# Altium PCB AVALON_hashunit.PcbDoc (part 3 of 5) (continued)
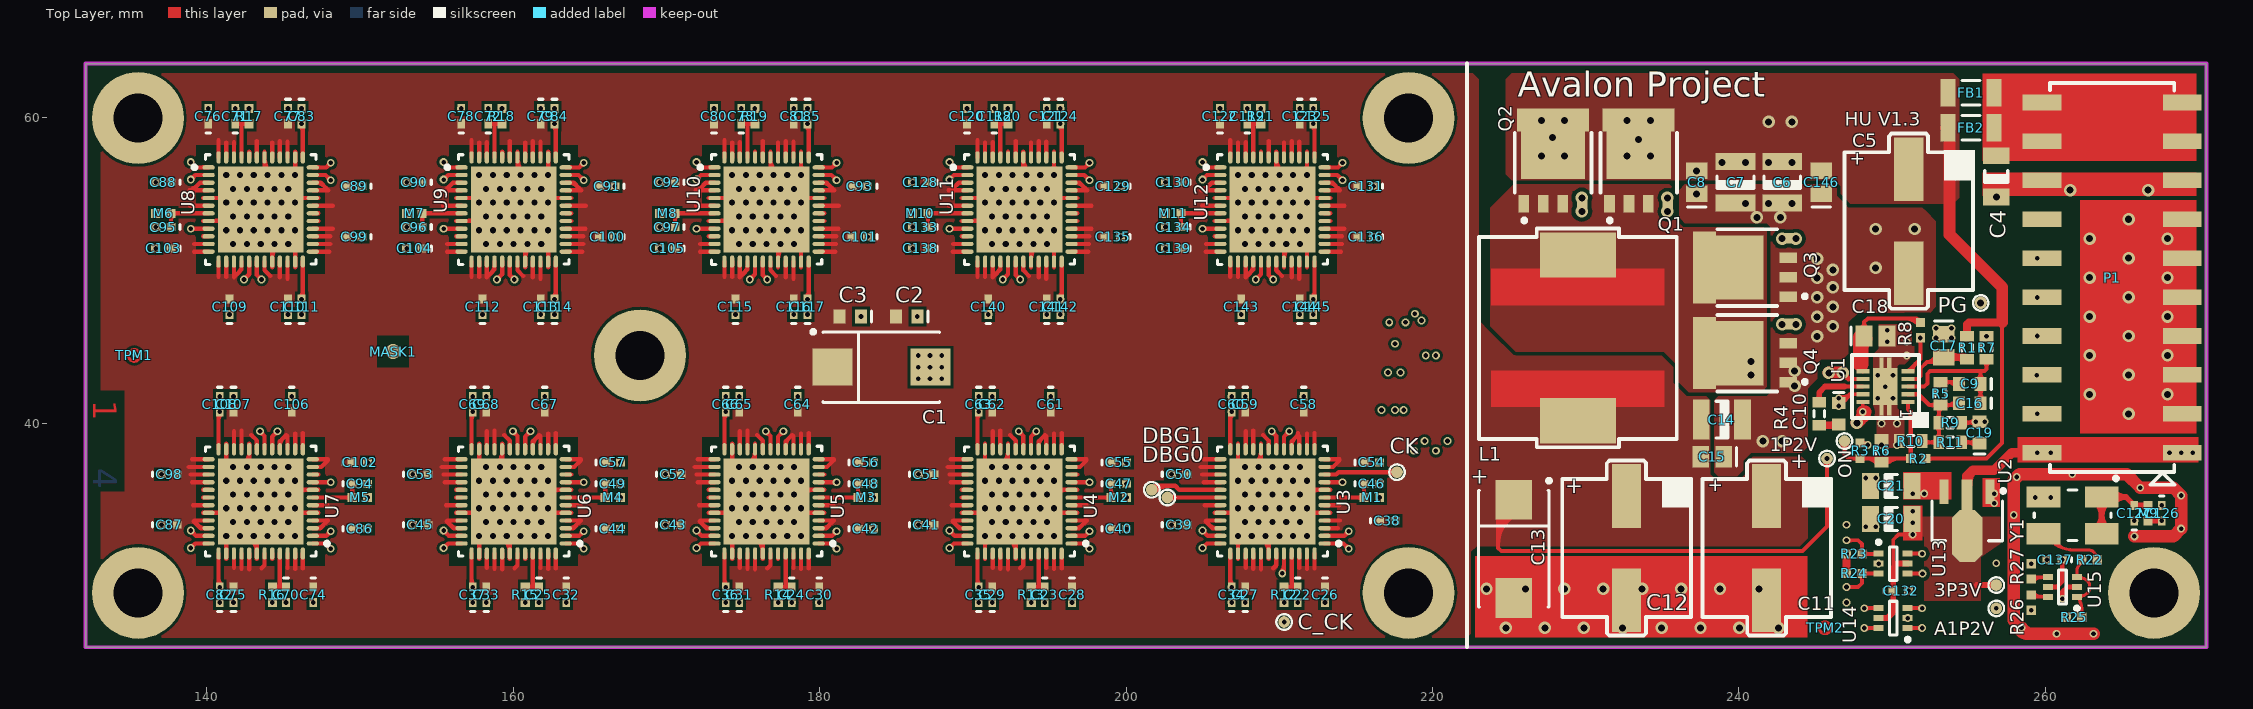
[diagram p0: Top Layer view]
## Nets (pads, with @x,y where several pads share a name; then routed paths per layer and width w, separated by ;. In a path a pad name is that pad's centre, name@x,y a point inside that pad or via, vN(x,y) a via of type N, cw(c..) or ccw(c..) an arc to the next point about the centre after c; other vN are vias at no path point) (continued)
ccw(c176.939,53.225) 177.28,53.225 U10.20@177.28,50.45 ; U5.49@176.966,34.461 ccw(c177.658,35.153) U5.49@177.658,34.175 ; U10.49@176.966,54.439 cw(c177.658,53.747) U10.49@177.658,54.725 ; U10.49@176.981,52.606 ccw(c176.959,52.926) U10.49@177.28,52.926 ; U10.49@176.987,52.607 ccw(c176.726,53.289) U10.49@177.432,53.1 ; U10.49@176.987,52.643 cw(c176.726,51.961) U10.49@177.432,52.15 ; U10.49@176.994,52.639 cw(c176.302,51.947) U10.49@177.28,51.947 ; U5.49@177.164,34.659 ccw(c178.333,35.828) U5.49@178.333,34.175 ; U10.49@177.164,54.241 cw(c178.333,53.072) U10.49@178.333,54.725 ; U5.49@177.261,34.601 ccw(c177.442,34.906) U5.49@177.694,34.657 ; U10.49@177.261,54.299 cw(c177.442,53.994) U10.49@177.694,54.243 ; U10.20@177.28,50.734 cw(c178.421,50.734) U10.49@177.614,51.541 ; U10.49@177.28,52.534 cw(c178.421,52.534) U10.49@177.614,53.341 ; U10.49@177.28,52.716 ccw(c178.421,52.716) U10.49@177.614,51.909 ; U5.49@177.416,35.389 cw(c178.108,34.697) U5.49@178.108,35.675 ; U5.49@177.427,34.175 ccw(c177.427,35.828) U5.49@178.596,34.659 ; U10.49@177.427,54.725 cw(c177.427,53.072) U10.49@178.596,54.241 ; U5.49@177.579,34.175 ccw(c177.579,34.496) U5.49@177.899,34.474 ; U10.49@177.579,54.725 cw(c177.579,54.404) U10.49@177.899,54.426 ; U5.49@177.614,35.191 cw(c178.783,34.022) U5.49@178.783,35.675 ; U5.49@177.62,34.493 cw(c177.28,34.516) 177.28,34.175 U5.5@180.055,34.175 ; U10.49@177.62,54.407 ccw(c177.28,54.384) 177.28,54.725 U10.32@180.055,54.725 ; U5.49@177.711,35.249 cw(c177.892,34.944) U5.49@178.144,35.193 ; U5.49@177.804,35.675 cw(c177.804,35.022) U5.49@178.346,35.386 ; U5.49@177.865,34.464 ccw(c178.463,34.911) U5.49@178.356,34.172 ; U10.49@177.865,54.436 cw(c178.463,53.989) U10.49@178.356,54.728 ; U5.49@177.866,34.461 ccw(c178.558,35.153) U5.49@178.558,34.175 ; U10.49@177.866,54.439 cw(c178.558,53.747) U10.49@178.558,54.725 ; U5.49@178.064,34.659 ccw(c179.233,35.828) U5.49@179.233,34.175 ; U10.49@178.064,54.241 cw(c179.233,53.072) U10.49@179.233,54.725 ; U5.49@178.102,34.175 ccw(c178.102,35.153) U5.49@178.794,34.461 ; U10.49@178.102,54.725 cw(c178.102,53.747) U10.49@178.794,54.439 ; U5.49@178.114,35.23 ccw(c177.28,34.671) 177.28,35.675 U5.8@180.055,35.675 ; U5.49@178.161,34.601 ccw(c178.342,34.906) U5.49@178.594,34.657 ; U10.49@178.161,54.299 cw(c178.342,53.994) U10.49@178.594,54.243 ; U5.49@178.315,35.386 cw(c178.913,34.939) U5.49@178.806,35.678 ; U5.49@178.316,35.389 cw(c179.008,34.697) U5.49@179.008,35.675 ; U5.49@178.514,35.191 cw(c179.683,34.022) U5.8@179.683,35.675 ; U10.49@178.596,56.409 ccw(c178.152,56.853) 178.78,56.853 ccw(c179.408,56.853) U10.49@178.964,56.409 ; U5.49@178.765,34.464 ccw(c179.363,34.911) U5.49@179.256,34.172 ; U10.49@178.765,54.436 cw(c179.363,53.989) U10.49@179.256,54.728 ; U10.23@178.78,50.45 U10.49@178.78,51.725 ; v1(178.78,56.225) U10.38@178.78,57.5 ; U4.32@189.515,34.175 192.29,34.175 cw(c192.29,34.516) U4.49@191.95,34.493 ; U11.8@189.515,53.225 192.29,53.225 cw(c192.29,54.229) U11.49@191.456,53.67 ; U11.5@189.515,54.725 192.29,54.725 ccw(c192.29,54.384) U11.49@191.95,54.407 ; U11.8@189.887,53.225 ccw(c189.887,54.878) U11.49@191.056,53.709 ; U4.49@190.314,34.172 ccw(c190.207,34.911) U4.49@190.805,34.464 ; U11.49@190.314,54.728 cw(c190.207,53.989) U11.49@190.805,54.436 ; U4.49@190.337,34.175 ccw(c190.337,35.828) U4.49@191.506,34.659 ; U11.49@190.337,54.725 cw(c190.337,53.072) U11.49@191.506,54.241 ; U11.49@190.562,53.225 ccw(c190.562,54.203) U11.49@191.254,53.511 ; U4.49@190.606,32.491 cw(c190.162,32.047) 190.79,32.047 cw(c191.418,32.047) U4.49@190.974,32.491 ; U11.49@190.764,53.222 ccw(c190.657,53.961) U11.49@191.255,53.514 ; U4.49@190.776,34.461 ccw(c191.468,35.153) U4.49@191.468,34.175 ; U11.49@190.776,54.439 cw(c191.468,53.747) U11.49@191.468,54.725 ; U11.49@190.787,53.225 ccw(c190.787,54.878) U11.49@191.956,53.709 ; U4.38@190.79,31.4 v1(190.79,32.675) ; U4.49@190.79,37.175 U4.23@190.79,38.45 ; U4.49@190.974,34.659 ccw(c192.143,35.828) U4.49@192.143,34.175 ; U11.49@190.974,54.241 cw(c192.143,53.072) U11.49@192.143,54.725 ; U4.49@190.976,34.657 ccw(c191.228,34.906) U4.49@191.409,34.601 ; U11.49@190.976,54.243 cw(c191.228,53.994) U11.49@191.409,54.299 ; U4.49@191.012,34.175 ccw(c191.012,35.153) U4.49@191.704,34.461 ; U11.49@191.012,54.725 cw(c191.012,53.747) U11.49@191.704,54.439 ; U4.49@191.214,34.172 ccw(c191.107,34.911) U4.49@191.705,34.464 ; U11.49@191.214,54.728 cw(c191.107,53.989) U11.49@191.705,54.436 ; U11.49@191.224,53.514 ccw(c191.766,53.878) U11.49@191.766,53.225 ; U4.49@191.237,34.175 ccw(c191.237,35.828) U4.49@192.406,34.659 ; U11.49@191.237,54.725 cw(c191.237,53.072) U11.49@192.406,54.241 ; U11.49@191.426,53.707 ccw(c191.678,53.956) U11.49@191.859,53.651 ; U11.49@191.462,53.225 ccw(c191.462,54.203) U11.49@192.154,53.511 ; U4.49@191.671,34.474 ccw(c191.991,34.496) U4.49@191.991,34.175 ; U11.49@191.671,54.426 cw(c191.991,54.404) U11.49@191.991,54.725 ; U4.49@191.876,34.657 ccw(c192.128,34.906) U4.49@192.309,34.601 ; U11.49@191.876,54.243 cw(c192.128,53.994) U11.49@192.309,54.299 ; U4.49@191.912,34.175 ccw(c191.912,35.153) U4.49@192.604,34.461 ; U11.49@191.912,54.725 cw(c191.912,53.747) U11.49@192.604,54.439 ; U4.49@191.956,35.559 ccw(c191.149,36.366) U4.49@192.29,36.366 ; U4.49@191.956,36.991 cw(c191.149,36.184) U4.49@192.29,36.184 ; U4.49@191.956,37.359 ccw(c191.149,38.166) U4.20@192.29,38.166 ; U4.49@192.138,35.8 cw(c192.844,35.611) U4.49@192.583,36.293 ; U4.49@192.138,36.75 ccw(c192.844,36.939) U4.49@192.583,36.257 ; U4.49@192.29,35.604 cw(c192.711,35.604) U4.49@192.636,36.019 ; U4.49@192.29,35.675 U4.20@192.29,38.45 ; U4.49@192.29,35.939 cw(c192.651,35.939) U4.49@192.587,36.294 ; U4.49@192.29,36.953 ccw(c193.268,36.953) U4.49@192.576,36.261 ; U4.49@192.29,37.628 ccw(c193.943,37.628) U4.49@192.774,36.459 ; U4.49@192.406,32.491 cw(c191.479,31.564) U4.42@192.79,31.564 ; U4.49@192.406,32.859 ccw(c191.479,33.786) U4.49@192.79,33.786 ; U4.49@192.406,34.291 cw(c191.479,33.364) U4.49@192.79,33.364 ; U4.49@192.46,32.9 ccw(c191.967,33.754) U4.49@192.919,33.499 ; U4.49@192.596,32.657 ccw(c192.422,33.21) U4.49@192.982,33.06 ; U4.49@192.595,34.493 cw(c192.461,34.027) U4.49@192.93,34.152 ; U4.49@192.604,32.661 ccw(c192.153,33.112) U4.49@192.79,33.112 ; U4.49@192.604,32.689 cw(c192.153,32.238) U4.49@192.79,32.238 ; U4.49@192.604,34.489 cw(c192.153,34.038) U4.49@192.79,34.038 ; U4.42@192.79,31.4 192.79,34.675 ccw(c193.97,34.675) U4.49@193.208,33.774 ; U4.49@192.79,32.343 cw(c194.272,32.343) U4.49@193.224,33.391 ; U4.49@192.79,33.018 cw(c193.597,33.018) U4.49@193.026,33.589 ; U4.49@192.79,34.073 ccw(c193.461,34.073) U4.49@193.028,33.56 ; U11.49@192.856,55.509 ccw(c191.808,56.557) U11.49@193.29,56.557 ; U11.49@192.868,55.129 cw(c192.048,54.197) U11.49@193.29,54.197 ; U11.49@193.053,55.339 cw(c192.591,54.815) U11.49@193.29,54.815 ; U11.49@193.054,55.311 ccw(c192.483,55.882) U11.49@193.29,55.882 ; U11.49@193.098,55.84 cw(c193.658,55.69) U11.49@193.484,56.243 ; U11.49@193.139,54.76 ccw(c193.626,54.89) U11.49@193.485,54.407 ; U11.49@193.161,55.401 cw(c194.113,55.146) U11.49@193.62,56 ; U11.49@193.18,55.223 ccw(c194.092,55.468) U11.49@193.62,54.65 ; U11.49@193.249,54.969 ccw(c193.641,55.074) U11.49@193.549,54.679 ; U11.49@193.29,54.225 U11.42@193.29,57.5 ; U11.49@193.29,54.862 ccw(c193.927,54.862) U11.49@193.476,54.411 ; U11.49@193.29,55.114 cw(c194.601,55.114) U11.49@193.674,56.041 ; U11.49@193.29,55.536 ccw(c194.601,55.536) U11.49@193.674,54.609 ; U11.49@193.29,55.788 cw(c193.927,55.788) U11.49@193.476,56.239 ; U11.49@193.29,56.662 ccw(c193.927,56.662) U11.49@193.476,56.211 ; U11.42@193.29,57.336 ccw(c194.601,57.336) U11.49@193.674,56.409 ; U11.49@193.306,52.441 cw(c192.137,51.272) U11.49@193.79,51.272 ; U11.49@193.472,52.885 ccw(c193.449,53.225) 193.79,53.225 U11.20@193.79,50.45 ; U4.49@193.476,34.461 ccw(c194.168,35.153) U4.49@194.168,34.175 ; U11.49@193.476,54.439 cw(c194.168,53.747) U11.49@194.168,54.725 ; U11.49@193.491,52.606 ccw(c193.469,52.926) U11.49@193.79,52.926 ; U11.49@193.497,52.607 ccw(c193.236,53.289) U11.49@193.942,53.1 ; U11.49@193.497,52.643 cw(c193.236,51.961) U11.49@193.942,52.15 ; U11.49@193.504,52.639 cw(c192.812,51.947) U11.49@193.79,51.947 ; U4.49@193.674,34.659 ccw(c194.843,35.828) U4.49@194.843,34.175 ; U11.49@193.674,54.241 cw(c194.843,53.072) U11.49@194.843,54.725 ; U4.49@193.771,34.601 ccw(c193.952,34.906) U4.49@194.204,34.657 ; U11.49@193.771,54.299 cw(c193.952,53.994) U11.49@194.204,54.243 ; U11.20@193.79,50.734 cw(c194.931,50.734) U11.49@194.124,51.541 ; U11.49@193.79,52.534 cw(c194.931,52.534) U11.49@194.124,53.341 ; U11.49@193.79,52.716 ccw(c194.931,52.716) U11.49@194.124,51.909 ; U4.49@193.926,35.389 cw(c194.618,34.697) U4.49@194.618,35.675 ; U4.49@193.937,34.175 ccw(c193.937,35.828) U4.49@195.106,34.659 ; U11.49@193.937,54.725 cw(c193.937,53.072) U11.49@195.106,54.241 ; U4.49@194.089,34.175 ccw(c194.089,34.496) U4.49@194.409,34.474 ; U11.49@194.089,54.725 cw(c194.089,54.404) U11.49@194.409,54.426 ; U4.49@194.124,35.191 cw(c195.293,34.022) U4.49@195.293,35.675 ; U4.49@194.13,34.493 cw(c193.79,34.516) 193.79,34.175 U4.5@196.565,34.175 ; U11.49@194.13,54.407 ccw(c193.79,54.384) 193.79,54.725 U11.32@196.565,54.725 ; U4.49@194.221,35.249 cw(c194.402,34.944) U4.49@194.654,35.193 ; U4.49@194.314,35.675 cw(c194.314,35.022) U4.49@194.856,35.386 ; U4.49@194.375,34.464 ccw(c194.973,34.911) U4.49@194.866,34.172 ; U11.49@194.375,54.436 cw(c194.973,53.989) U11.49@194.866,54.728 ; U4.49@194.376,34.461 ccw(c195.068,35.153) U4.49@195.068,34.175 ; U11.49@194.376,54.439 cw(c195.068,53.747) U11.49@195.068,54.725 ; U4.49@194.574,34.659 ccw(c195.743,35.828) U4.49@195.743,34.175 ; U11.49@194.574,54.241 cw(c195.743,53.072) U11.49@195.743,54.725 ; U4.49@194.612,34.175 ccw(c194.612,35.153) U4.49@195.304,34.461 ; U11.49@194.612,54.725 cw(c194.612,53.747) U11.49@195.304,54.439 ; U4.49@194.624,35.23 ccw(c193.79,34.671) 193.79,35.675 U4.8@196.565,35.675 ; U4.49@194.671,34.601 ccw(c194.852,34.906) U4.49@195.104,34.657 ; U11.49@194.671,54.299 cw(c194.852,53.994) U11.49@195.104,54.243 ; U4.49@194.825,35.386 cw(c195.423,34.939) U4.49@195.316,35.678 ; U4.49@194.826,35.389 cw(c195.518,34.697) U4.49@195.518,35.675 ; U4.49@195.024,35.191 cw(c196.193,34.022) U4.8@196.193,35.675 ; U11.49@195.106,56.409 ccw(c194.662,56.853) 195.29,56.853 ccw(c195.918,56.853) U11.49@195.474,56.409 ; U4.49@195.275,34.464 ccw(c195.873,34.911) U4.49@195.766,34.172 ; U11.49@195.275,54.436 cw(c195.873,53.989) U11.49@195.766,54.728 ; U11.23@195.29,50.45 U11.49@195.29,51.725 ; v1(195.29,56.225) U11.38@195.29,57.5 ; U3.32@206.025,34.175 208.8,34.175 cw(c208.8,34.516) U3.49@208.46,34.493 ; U12.8@206.025,53.225 208.8,53.225 cw(c208.8,54.229) U12.49@207.966,53.67 ; U12.5@206.025,54.725 208.8,54.725 ccw(c208.8,54.384) U12.49@208.46,54.407 ; U12.8@206.397,53.225 ccw(c206.397,54.878) U12.49@207.566,53.709 ; U3.49@206.824,34.172 ccw(c206.717,34.911) U3.49@207.315,34.464 ; U12.49@206.824,54.728 cw(c206.717,53.989) U12.49@207.315,54.436 ; U3.49@206.847,34.175 ccw(c206.847,35.828) U3.49@208.016,34.659 ; U12.49@206.847,54.725 cw(c206.847,53.072) U12.49@208.016,54.241 ; U12.49@207.072,53.225 ccw(c207.072,54.203) U12.49@207.764,53.511 ; U3.49@207.116,32.491 cw(c206.672,32.047) 207.3,32.047 cw(c207.928,32.047) U3.49@207.484,32.491 ; U12.49@207.274,53.222 ccw(c207.167,53.961) U12.49@207.765,53.514 ; U3.49@207.286,34.461 ccw(c207.978,35.153) U3.49@207.978,34.175 ; U12.49@207.286,54.439 cw(c207.978,53.747) U12.49@207.978,54.725 ; U12.49@207.297,53.225 ccw(c207.297,54.878) U12.49@208.466,53.709 ; U3.38@207.3,31.4 v1(207.3,32.675) ; U3.49@207.3,37.175 U3.23@207.3,38.45 ; U3.49@207.484,34.659 ccw(c208.653,35.828) U3.49@208.653,34.175 ; U12.49@207.484,54.241 cw(c208.653,53.072) U12.49@208.653,54.725 ; U3.49@207.486,34.657 ccw(c207.738,34.906) U3.49@207.919,34.601 ; U12.49@207.486,54.243 cw(c207.738,53.994) U12.49@207.919,54.299 ; U3.49@207.522,34.175 ccw(c207.522,35.153) U3.49@208.214,34.461 ; U12.49@207.522,54.725 cw(c207.522,53.747) U12.49@208.214,54.439 ; U3.49@207.724,34.172 ccw(c207.617,34.911) U3.49@208.215,34.464 ; U12.49@207.724,54.728 cw(c207.617,53.989) U12.49@208.215,54.436 ; U12.49@207.734,53.514 ccw(c208.276,53.878) U12.49@208.276,53.225 ; U3.49@207.747,34.175 ccw(c207.747,35.828) U3.49@208.916,34.659 ; U12.49@207.747,54.725 cw(c207.747,53.072) U12.49@208.916,54.241 ; U12.49@207.936,53.707 ccw(c208.188,53.956) U12.49@208.369,53.651 ; U12.49@207.972,53.225 ccw(c207.972,54.203) U12.49@208.664,53.511 ; U3.49@208.181,34.474 ccw(c208.501,34.496) U3.49@208.501,34.175 ; U12.49@208.181,54.426 cw(c208.501,54.404) U12.49@208.501,54.725 ; U3.49@208.386,34.657 ccw(c208.638,34.906) U3.49@208.819,34.601 ; U12.49@208.386,54.243 cw(c208.638,53.994) U12.49@208.819,54.299 ; U3.49@208.422,34.175 ccw(c208.422,35.153) U3.49@209.114,34.461 ; U12.49@208.422,54.725 cw(c208.422,53.747) U12.49@209.114,54.439 ; U3.49@208.466,35.559 ccw(c207.659,36.366) U3.49@208.8,36.366 ; U3.49@208.466,36.991 cw(c207.659,36.184) U3.49@208.8,36.184 ; U3.49@208.466,37.359 ccw(c207.659,38.166) U3.20@208.8,38.166 ; U3.49@208.648,35.8 cw(c209.354,35.611) U3.49@209.093,36.293 ; U3.49@208.648,36.75 ccw(c209.354,36.939) U3.49@209.093,36.257 ; U3.49@208.8,35.604 cw(c209.221,35.604) U3.49@209.146,36.019 ; U3.49@208.8,35.675 U3.20@208.8,38.45 ; U3.49@208.8,35.939 cw(c209.161,35.939) U3.49@209.097,36.294 ; U3.49@208.8,36.953 ccw(c209.778,36.953) U3.49@209.086,36.261 ; U3.49@208.8,37.628 ccw(c210.453,37.628) U3.49@209.284,36.459 ; U3.49@208.916,32.491 cw(c207.989,31.564) U3.42@209.3,31.564 ; U3.49@208.916,32.859 ccw(c207.989,33.786) U3.49@209.3,33.786 ; U3.49@208.916,34.291 cw(c207.989,33.364) U3.49@209.3,33.364 ; U3.49@208.97,32.9 ccw(c208.477,33.754) U3.49@209.429,33.499 ; U3.49@209.106,32.657 ccw(c208.932,33.21) U3.49@209.492,33.06 ; U3.49@209.105,34.493 cw(c208.971,34.027) U3.49@209.44,34.152 ; U3.49@209.114,32.661 ccw(c208.663,33.112) U3.49@209.3,33.112 ; U3.49@209.114,32.689 cw(c208.663,32.238) U3.49@209.3,32.238 ; U3.49@209.114,34.489 cw(c208.663,34.038) U3.49@209.3,34.038 ; U3.42@209.3,31.4 209.3,34.675 ccw(c210.48,34.675) U3.49@209.718,33.774 ; U3.49@209.3,32.343 cw(c210.782,32.343) U3.49@209.734,33.391 ; U3.49@209.3,33.018 cw(c210.107,33.018) U3.49@209.536,33.589 ; U3.49@209.3,34.073 ccw(c209.971,34.073) U3.49@209.538,33.56 ; U12.49@209.366,55.509 ccw(c208.318,56.557) U12.49@209.8,56.557 ; U12.49@209.378,55.129 cw(c208.558,54.197) U12.49@209.8,54.197 ; U12.49@209.563,55.339 cw(c209.101,54.815) U12.49@209.8,54.815 ; U12.49@209.564,55.311 ccw(c208.993,55.882) U12.49@209.8,55.882 ; U12.49@209.608,55.84 cw(c210.168,55.69) U12.49@209.994,56.243 ; U12.49@209.649,54.76 ccw(c210.136,54.89) U12.49@209.995,54.407 ; U12.49@209.671,55.401 cw(c210.623,55.146) U12.49@210.13,56 ; U12.49@209.69,55.223 ccw(c210.602,55.468) U12.49@210.13,54.65 ; U12.49@209.759,54.969 ccw(c210.151,55.074) U12.49@210.059,54.679 ; U12.49@209.8,54.225 U12.42@209.8,57.5 ; U12.49@209.8,54.862 ccw(c210.437,54.862) U12.49@209.986,54.411 ; U12.49@209.8,55.114 cw(c211.111,55.114) U12.49@210.184,56.041 ; U12.49@209.8,55.536 ccw(c211.111,55.536) U12.49@210.184,54.609 ; U12.49@209.8,55.788 cw(c210.437,55.788) U12.49@209.986,56.239 ; U12.49@209.8,56.662 ccw(c210.437,56.662) U12.49@209.986,56.211 ; U12.42@209.8,57.336 ccw(c211.111,57.336) U12.49@210.184,56.409 ; U12.49@209.816,52.441 cw(c208.647,51.272) U12.49@210.3,51.272 ; U12.49@209.982,52.885 ccw(c209.959,53.225) 210.3,53.225 U12.20@210.3,50.45 ; U3.49@209.986,34.461 ccw(c210.678,35.153) U3.49@210.678,34.175 ; U12.49@209.986,54.439 cw(c210.678,53.747) U12.49@210.678,54.725 ; U12.49@210.001,52.606 ccw(c209.979,52.926) U12.49@210.3,52.926 ; U12.49@210.007,52.607 ccw(c209.746,53.289) U12.49@210.452,53.1 ; U12.49@210.007,52.643 cw(c209.746,51.961) U12.49@210.452,52.15 ; U12.49@210.014,52.639 cw(c209.322,51.947) U12.49@210.3,51.947 ; U3.49@210.184,34.659 ccw(c211.353,35.828) U3.49@211.353,34.175 ; U12.49@210.184,54.241 cw(c211.353,53.072) U12.49@211.353,54.725 ; U3.49@210.281,34.601 ccw(c210.462,34.906) U3.49@210.714,34.657 ; U12.49@210.281,54.299 cw(c210.462,53.994) U12.49@210.714,54.243 ; U12.20@210.3,50.734 cw(c211.441,50.734) U12.49@210.634,51.541 ; U12.49@210.3,52.534 cw(c211.441,52.534) U12.49@210.634,53.341 ; U12.49@210.3,52.716 ccw(c211.441,52.716) U12.49@210.634,51.909 ; U3.49@210.436,35.389 cw(c211.128,34.697) U3.49@211.128,35.675 ; U3.49@210.447,34.175 ccw(c210.447,35.828) U3.49@211.616,34.659 ; U12.49@210.447,54.725 cw(c210.447,53.072) U12.49@211.616,54.241 ; U3.49@210.599,34.175 ccw(c210.599,34.496) U3.49@210.919,34.474 ; U12.49@210.599,54.725 cw(c210.599,54.404) U12.49@210.919,54.426 ; U3.49@210.634,35.191 cw(c211.803,34.022) U3.49@211.803,35.675 ; U3.49@210.64,34.493 cw(c210.3,34.516) 210.3,34.175 U3.5@213.075,34.175 ; U12.49@210.64,54.407 ccw(c210.3,54.384) 210.3,54.725 U12.32@213.075,54.725 ; U3.49@210.731,35.249 cw(c210.912,34.944) U3.49@211.164,35.193 ; U3.49@210.824,35.675 cw(c210.824,35.022) U3.49@211.366,35.386 ; U3.49@210.885,34.464 ccw(c211.483,34.911) U3.49@211.376,34.172 ; U12.49@210.885,54.436 cw(c211.483,53.989) U12.49@211.376,54.728 ; U3.49@210.886,34.461 ccw(c211.578,35.153) U3.49@211.578,34.175 ; U12.49@210.886,54.439 cw(c211.578,53.747) U12.49@211.578,54.725 ; U3.49@211.084,34.659 ccw(c212.253,35.828) U3.49@212.253,34.175 ; U12.49@211.084,54.241 cw(c212.253,53.072) U12.49@212.253,54.725 ; U3.49@211.122,34.175 ccw(c211.122,35.153) U3.49@211.814,34.461 ; U12.49@211.122,54.725 cw(c211.122,53.747) U12.49@211.814,54.439 ; U3.49@211.134,35.23 ccw(c210.3,34.671) 210.3,35.675 U3.8@213.075,35.675 ; U3.49@211.181,34.601 ccw(c211.362,34.906) U3.49@211.614,34.657 ; U12.49@211.181,54.299 cw(c211.362,53.994) U12.49@211.614,54.243 ; U3.49@211.335,35.386 cw(c211.933,34.939) U3.49@211.826,35.678 ; U3.49@211.336,35.389 cw(c212.028,34.697) U3.49@212.028,35.675 ; U3.49@211.534,35.191 cw(c212.703,34.022) U3.8@212.703,35.675 ; U12.49@211.616,56.409 ccw(c211.172,56.853) 211.8,56.853 ccw(c212.428,56.853) U12.49@211.984,56.409 ; U3.49@211.785,34.464 ccw(c212.383,34.911) U3.49@212.276,34.172 ; U12.49@211.785,54.436 cw(c212.383,53.989) U12.49@212.276,54.728 ; U12.23@211.8,50.45 U12.49@211.8,51.725 ; v1(211.8,56.225) U12.38@211.8,57.5 ; U8.49@143.735,54.555 ccw(c143.463,54.712) 143.766,54.793 cw(c143.463,54.712) U8.49@143.735,54.555 ; U9.49@160.245,54.555 ccw(c159.973,54.712) 160.276,54.793 cw(c159.973,54.712) U9.49@160.245,54.555 ; U10.49@176.755,54.555 ccw(c176.483,54.712) 176.786,54.793 cw(c176.483,54.712) U10.49@176.755,54.555 ; U11.49@193.265,54.555 ccw(c192.993,54.712) 193.296,54.793 cw(c192.993,54.712) U11.49@193.265,54.555 ; U12.49@209.775,54.555 ccw(c209.503,54.712) 209.806,54.793 cw(c209.503,54.712) U12.49@209.775,54.555
  Top Layer w0.305: v2(261.112,28.575) 261.112,29.036 261.413,29.337 U15.2@262.062,29.337
  Top Layer w0.813: v2@258.311,26.598 ccw(c258.826,26.873) 258.826,26.289 ; v2@258.337,26.562 ccw(c258.997,27.222) 258.997,26.289 ; v2(263.144,26.289) v2(260.731,26.289) 258.826,26.289 ; v2(265.811,32.639) 268.351,32.639 v2(268.859,33.147) v2(268.859,35.306) 268.351,35.814 v2(266.192,35.814) 265.303,36.703 v2(261.747,36.703) 258.318,36.703 v2(258.127,36.512) 257.937,36.322 v2(257.937,34.036) 257.937,27.178 v2(258.445,26.67) 258.826,26.289
  other v1: 142.16,32.675 143.06,32.675 143.96,32.675 144.86,32.675 145.76,32.675 158.67,32.675 159.57,32.675 160.47,32.675 161.37,32.675 162.27,32.675 175.18,32.675 176.08,32.675 176.98,32.675 177.88,32.675 178.78,32.675 191.69,32.675 192.59,32.675 193.49,32.675 194.39,32.675 195.29,32.675 208.2,32.675 209.1,32.675 210,32.675 210.9,32.675 211.8,32.675 141.71,33.575 142.61,33.575 143.51,33.575 144.41,33.575 145.31,33.575 158.22,33.575 159.12,33.575 160.02,33.575 160.92,33.575 161.82,33.575 174.73,33.575 175.63,33.575 176.53,33.575 177.43,33.575 178.33,33.575 191.24,33.575 192.14,33.575 193.04,33.575 193.94,33.575 194.84,33.575 207.75,33.575 208.65,33.575 209.55,33.575 210.45,33.575 211.35,33.575 141.26,34.475 142.16,34.475 143.06,34.475 143.96,34.475 144.86,34.475 145.76,34.475 157.77,34.475 158.67,34.475 159.57,34.475 160.47,34.475 161.37,34.475 162.27,34.475 174.28,34.475 175.18,34.475 176.08,34.475 176.98,34.475 177.88,34.475 178.78,34.475 190.79,34.475 191.69,34.475 192.59,34.475 193.49,34.475 194.39,34.475 195.29,34.475 207.3,34.475 208.2,34.475 209.1,34.475 210,34.475 210.9,34.475 211.8,34.475 141.71,35.375 142.61,35.375 143.51,35.375 144.41,35.375 145.31,35.375 158.22,35.375 159.12,35.375 160.02,35.375 160.92,35.375 161.82,35.375 174.73,35.375 175.63,35.375 176.53,35.375 177.43,35.375 178.33,35.375 191.24,35.375 192.14,35.375 193.04,35.375 193.94,35.375 194.84,35.375 207.75,35.375 208.65,35.375 209.55,35.375 210.45,35.375 211.35,35.375 141.26,36.275 142.16,36.275 143.06,36.275 143.96,36.275 144.86,36.275 145.76,36.275 157.77,36.275 158.67,36.275 159.57,36.275 160.47,36.275 161.37,36.275 162.27,36.275 174.28,36.275 175.18,36.275 176.08,36.275 176.98,36.275 177.88,36.275 178.78,36.275 190.79,36.275 191.69,36.275 192.59,36.275 193.49,36.275 194.39,36.275 195.29,36.275 207.3,36.275 208.2,36.275 209.1,36.275 210,36.275 210.9,36.275 211.8,36.275 141.71,37.175 142.61,37.175 143.51,37.175 144.41,37.175 145.31,37.175 158.22,37.175 159.12,37.175 160.02,37.175 160.92,37.175 161.82,37.175 174.73,37.175 175.63,37.175 176.53,37.175 177.43,37.175 178.33,37.175 191.24,37.175 192.14,37.175 193.04,37.175 193.94,37.175 194.84,37.175 207.75,37.175 208.65,37.175 209.55,37.175 210.45,37.175 211.35,37.175 141.71,51.725 142.61,51.725 143.51,51.725 144.41,51.725 145.31,51.725 158.22,51.725 159.12,51.725 160.02,51.725 160.92,51.725 161.82,51.725 174.73,51.725 175.63,51.725 176.53,51.725 177.43,51.725 178.33,51.725 191.24,51.725 192.14,51.725 193.04,51.725 193.94,51.725 194.84,51.725 207.75,51.725 208.65,51.725 209.55,51.725 210.45,51.725 211.35,51.725 141.26,52.625 142.16,52.625 143.06,52.625 143.96,52.625 144.86,52.625 145.76,52.625 157.77,52.625 158.67,52.625 159.57,52.625 160.47,52.625 161.37,52.625 162.27,52.625 174.28,52.625 175.18,52.625 176.08,52.625 176.98,52.625 177.88,52.625 178.78,52.625 190.79,52.625 191.69,52.625 192.59,52.625 193.49,52.625 194.39,52.625 195.29,52.625 207.3,52.625 208.2,52.625 209.1,52.625 210,52.625 210.9,52.625 211.8,52.625 141.71,53.525 142.61,53.525 143.51,53.525 144.41,53.525 145.31,53.525 158.22,53.525 159.12,53.525 160.02,53.525 160.92,53.525 161.82,53.525 174.73,53.525 175.63,53.525 176.53,53.525 177.43,53.525 178.33,53.525 191.24,53.525 192.14,53.525 193.04,53.525 193.94,53.525 194.84,53.525 207.75,53.525 208.65,53.525 209.55,53.525 210.45,53.525 211.35,53.525 141.26,54.425 142.16,54.425 143.06,54.425 143.96,54.425 144.86,54.425 145.76,54.425 157.77,54.425 158.67,54.425 159.57,54.425 160.47,54.425 161.37,54.425 162.27,54.425 174.28,54.425 175.18,54.425 176.08,54.425 176.98,54.425 177.88,54.425 178.78,54.425 190.79,54.425 191.69,54.425 192.59,54.425 193.49,54.425 194.39,54.425 195.29,54.425 207.3,54.425 208.2,54.425 209.1,54.425 210,54.425 210.9,54.425 211.8,54.425 141.71,55.325 142.61,55.325 143.51,55.325 144.41,55.325 145.31,55.325 158.22,55.325 159.12,55.325 160.02,55.325 160.92,55.325 161.82,55.325 174.73,55.325 175.63,55.325 176.53,55.325 177.43,55.325 178.33,55.325 191.24,55.325 192.14,55.325 193.04,55.325 193.94,55.325 194.84,55.325 207.75,55.325 208.65,55.325 209.55,55.325 210.45,55.325 211.35,55.325 141.26,56.225 142.16,56.225 143.06,56.225 143.96,56.225 144.86,56.225 157.77,56.225 158.67,56.225 159.57,56.225 160.47,56.225 161.37,56.225 174.28,56.225 175.18,56.225 176.08,56.225 176.98,56.225 177.88,56.225 190.79,56.225 191.69,56.225 192.59,56.225 193.49,56.225 194.39,56.225 207.3,56.225 208.2,56.225 209.1,56.225 210,56.225 210.9,56.225
  other v2: 251.013,27.305 140.843,28.329 141.732,28.329 145.161,28.329 146.939,28.329 157.353,28.329 158.242,28.329 161.671,28.329 163.449,28.329 173.863,28.329 174.752,28.329 178.181,28.329 179.959,28.329 190.373,28.329 191.262,28.329 194.691,28.329 196.469,28.329 206.883,28.329 207.772,28.329 211.201,28.329 212.979,28.329 251.071,29.083 249.113,30.861 260.104,31.115 150.487,33.147 166.997,33.147 183.507,33.147 200.017,33.147 248.285,33.274 248.92,33.274 137.037,33.401 153.424,33.401 169.934,33.401 186.444,33.401 202.954,33.401 217.543,33.655 265.811,33.663 267.589,34.663 256.667,34.798 259.334,35.179 260.35,35.179 256.667,35.433 150.487,36.068 166.997,36.068 183.507,36.068 200.017,36.068 216.527,36.068 248.285,36.449 248.92,36.449 137.037,36.703 153.424,36.703 169.934,36.703 186.444,36.703 202.954,36.703 150.487,37.465 166.997,37.465 183.507,37.465 200.017,37.465 216.527,37.465 249.301,38.608 250.317,38.608 249.301,40.005 250.317,40.005 140.843,41.775 141.732,41.775 145.542,41.775 157.353,41.775 158.242,41.775 162.052,41.775 173.863,41.775 174.752,41.775 178.562,41.775 190.373,41.775 191.262,41.775 195.072,41.775 206.883,41.775 207.772,41.775 211.582,41.775 186.436,42.926 187.198,42.926 187.96,42.926 186.436,43.688 187.198,43.688 187.96,43.688 186.436,44.45 187.198,44.45 187.96,44.45 250.952,44.45 249.682,45.339 250.952,45.339 252.857,45.593 253.873,45.593 256.159,45.708 249.682,46.101 252.857,46.228 253.873,46.228 182.691,46.99 186.374,46.99 141.478,47.125 145.288,47.125 146.177,47.125 157.988,47.125 161.798,47.125 162.687,47.125 174.498,47.125 178.308,47.125 179.197,47.125 191.008,47.125 194.818,47.125 195.707,47.125 207.518,47.125 211.328,47.125 212.217,47.125 136.656,51.435 153.043,51.435 169.553,51.435 186.063,51.435 202.573,51.435 150.106,52.197 166.616,52.197 183.126,52.197 199.636,52.197 216.146,52.197 136.656,52.832 153.043,52.832 169.553,52.832 186.063,52.832 202.573,52.832 150.106,55.499 166.616,55.499 183.126,55.499 199.636,55.499 216.146,55.499 136.656,55.753 153.043,55.753 169.553,55.753 186.063,55.753 202.573,55.753 140.081,60.571 141.859,60.571 145.288,60.571 146.177,60.571 156.591,60.571 158.369,60.571 161.798,60.571 162.687,60.571 173.101,60.571 174.879,60.571 178.308,60.571 179.197,60.571 189.611,60.571 191.389,60.571 194.818,60.571 195.707,60.571 206.121,60.571 207.899,60.571 211.328,60.571 212.217,60.571